# Allegro board SDHCalFEB20180110.brd (continued)
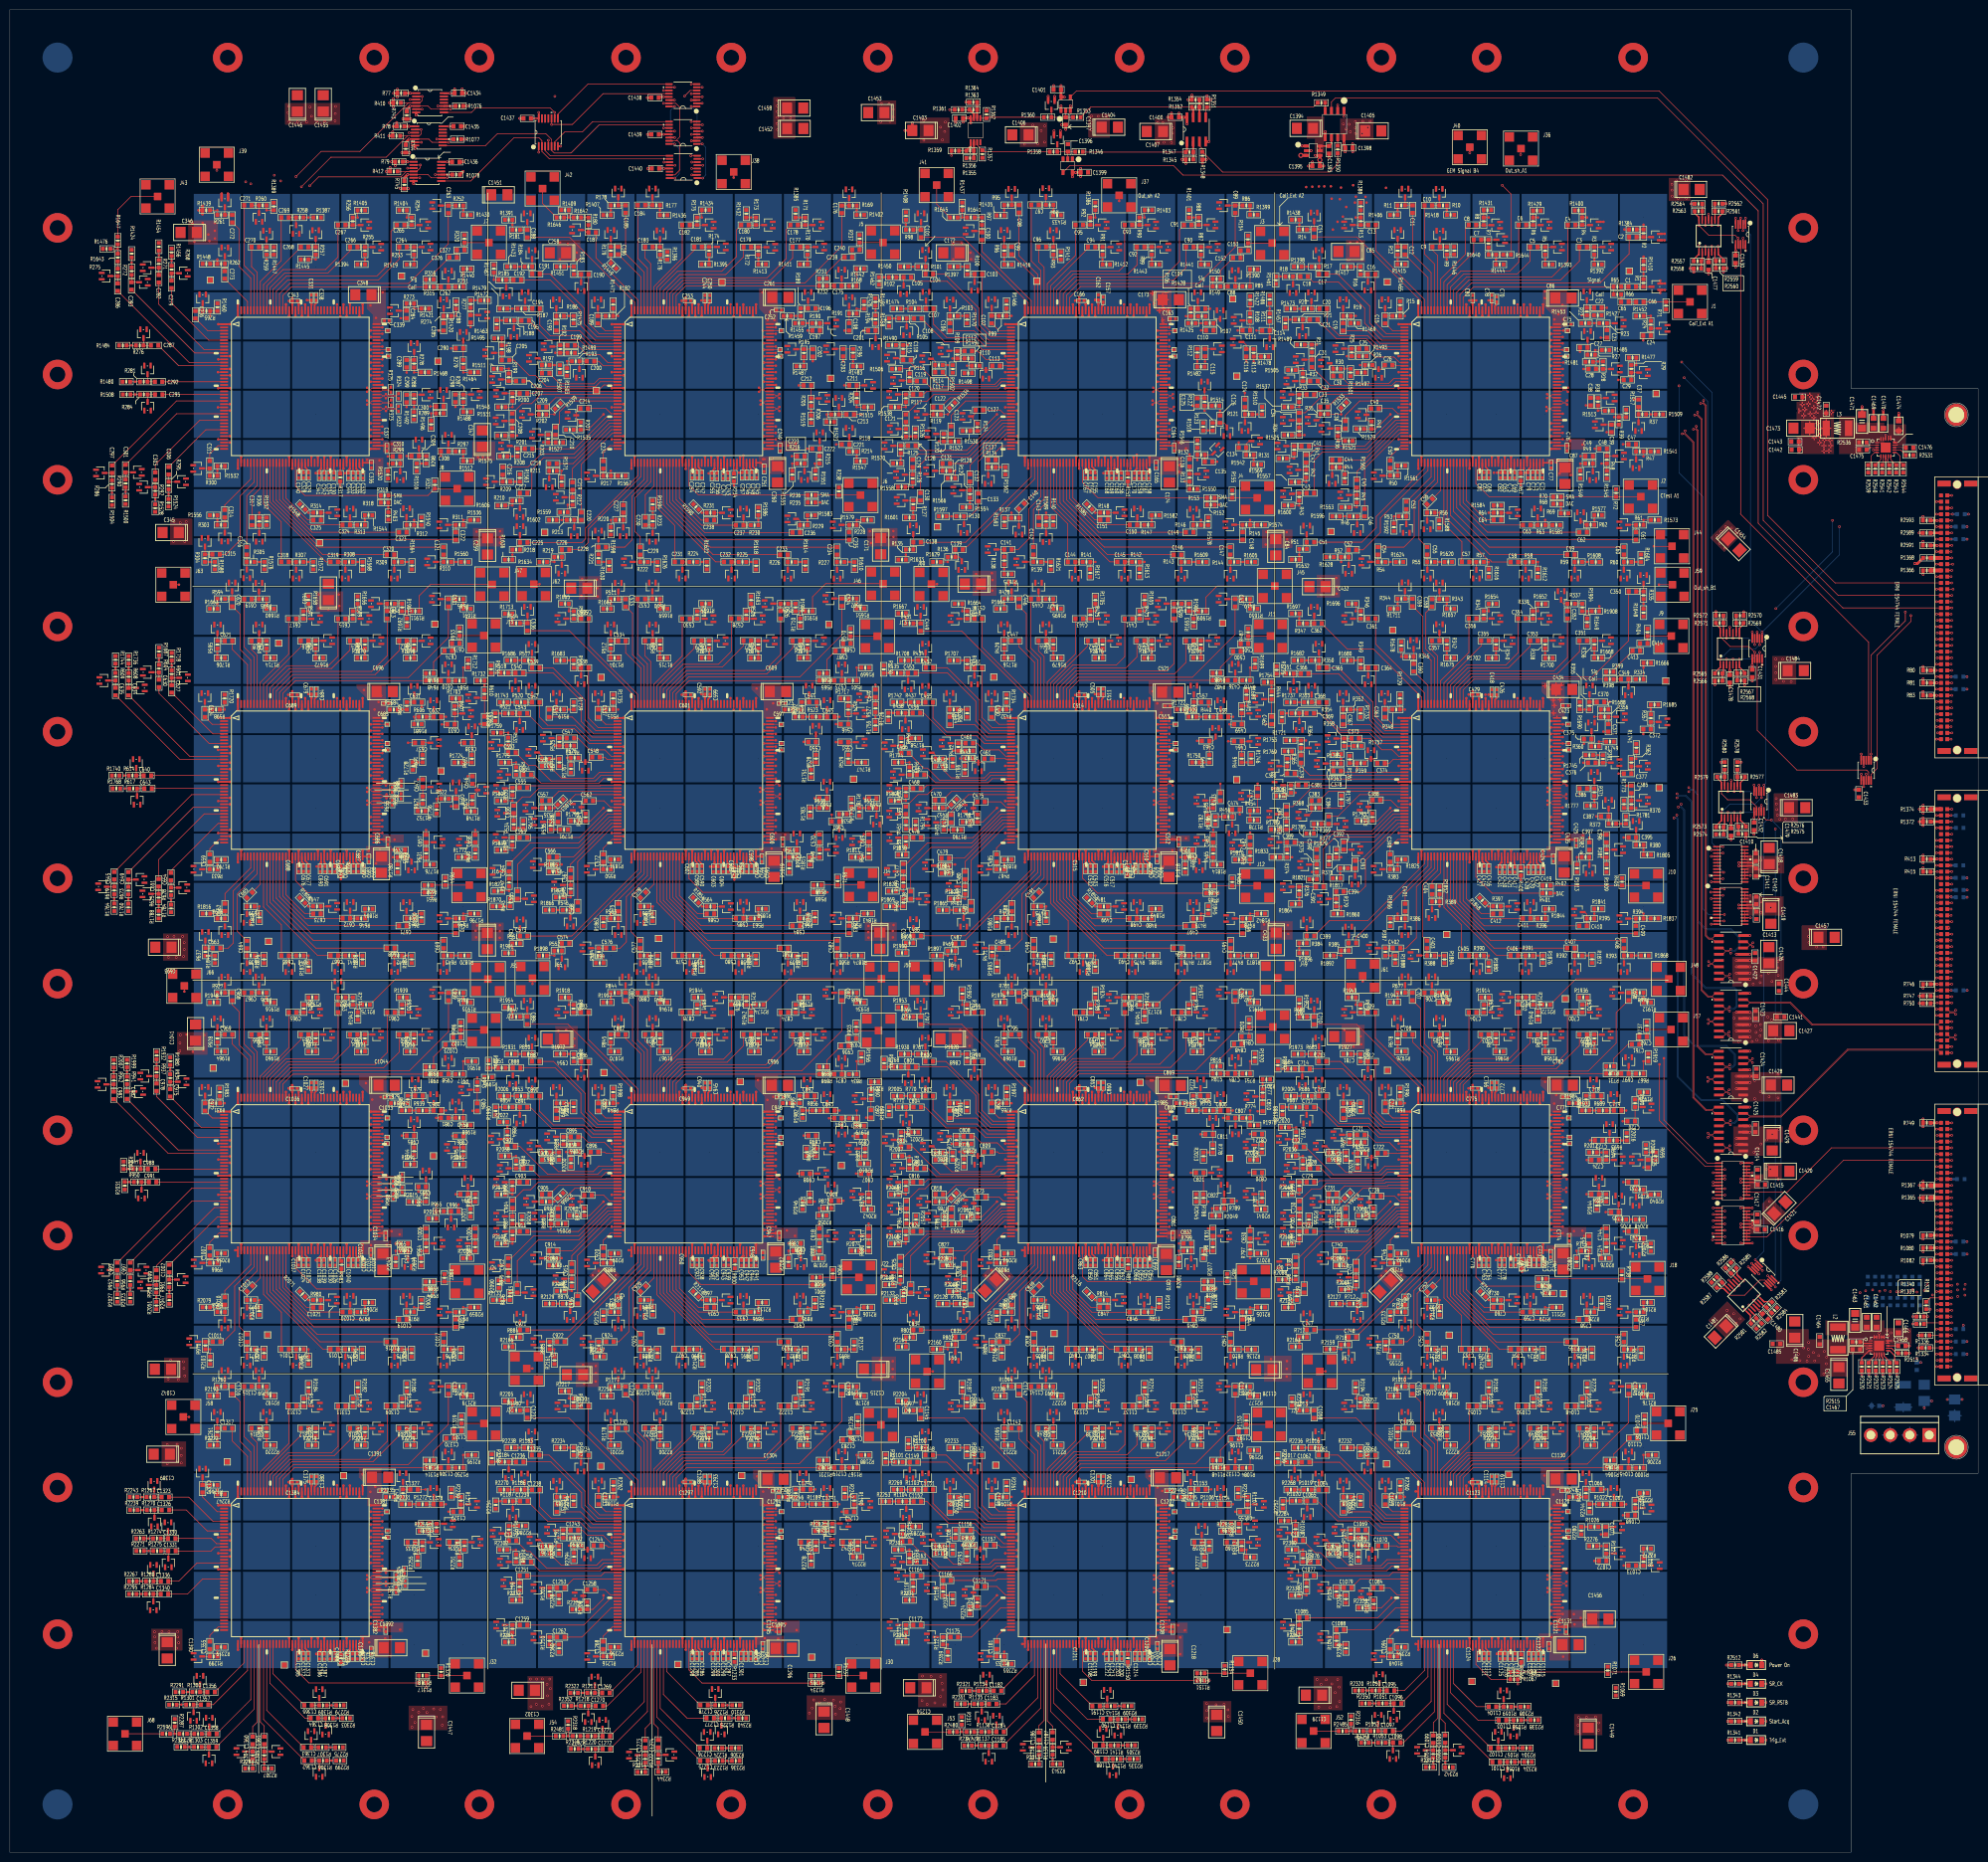
[diagram p0: board, top side]
## Routing (per net, layer and track width the routed paths; a pad name or vN(x,y) marks a point on that pad's centre or on a via; arc(x,y) is an arc through that point) (continued)
GEM_OUT_I35: length 4.5
  TOP w0.127: R2064.2 270.75,132.2 v1(270.73,132.2) 269.77,132.2 R701.1
  GND1 w0.127: v2(271.46,132.2) v1(270.73,132.2)
  GND3 w0.127: v3(272.2,132.2) v2(271.46,132.2)
  BOTTOM w0.127: v3(272.2,132.2) 272.18,132.2 R2064.2
GEM_OUT_I36: length 36.8
  TOP w0.127: v1(270.13,126.75) R702.1 270.14,127.71 R2052.2
  GND1 w0.127: v1(270.13,126.75) v2(270.87,126.75)
  SIG3 w0.127: v2(270.87,126.75) 280.42,126.75 283.46,129.79 299.06,129.79 v2(301.46,132.2)
  GND3 w0.127: v3(302.2,132.2) v2(301.46,132.2)
GEM_OUT_I37: length 4
  TOP w0.127: R2040.2 333.69,133.67 v1(332.2,133.67) 332.2,134.67 R703.1
  GND1 w0.127: v2(332.2,132.94) v1(332.2,133.67)
  GND3 w0.127: v3(332.2,132.2) v2(332.2,132.94)
GEM_OUT_I38: length 3.4
  TOP w0.127: R704.1 324.63,132.2 v1(323.67,132.2) 322.71,132.2 R2044.2
  GND1 w0.127: v2(322.94,132.2) v1(323.67,132.2)
  GND3 w0.127: v3(322.2,132.2) v2(322.94,132.2)
GEM_OUT_I39: length 22.3
  TOP w0.127: R705.1 v1(329.62,128.6) 330.59,128.6 R2048.2
  GND1 w0.127: v2(328.88,128.6) v1(329.62,128.6)
  SIG3 w0.127: v2(311.46,132.2) 312.38,132.2 315.98,128.6 v2(328.88,128.6)
  GND3 w0.127: v3(312.2,132.2) v2(311.46,132.2)
GEM_OUT_I40: length 7.6
  TOP w0.127: v1(280.73,132.2) 277.87,129.35 R706.1 275.76,129.35 R2060.2
  GND1 w0.127: v2(281.46,132.2) v1(280.73,132.2)
  GND3 w0.127: v3(282.2,132.2) v2(281.46,132.2)
GEM_OUT_I41: length 3.9
  TOP w0.127: R2100.2 260.72,123.67 v1(262.2,123.67) 262.2,123.68 R707.1
  GND1 w0.127: v2(262.2,122.94) v1(262.2,123.67)
  GND3 w0.127: v3(262.2,122.2) v2(262.2,122.94)
GEM_OUT_I42: length 35.5
  TOP w0.127: v1(260.5,116.37) R708.1
  GND1 w0.127: v1(260.5,116.37) v2(261.24,116.37)
  SIG3 w0.127: v2(261.24,116.37) 287.1,116.37 v2(292.2,121.46)
  GND3 w0.127: v3(292.2,122.2) v2(292.2,121.46)
GEM_OUT_I43: length 4
  TOP w0.127: R2131.2 260.73,110.71 v1(260.73,112.2) R709.1
  GND1 w0.127: v2(261.46,112.2) v1(260.73,112.2)
  GND3 w0.127: v3(262.2,112.2) v2(261.46,112.2)
GEM_OUT_I44: length 3.9
  TOP w0.127: v1(272.2,120.73) 271.23,120.73 R710.1 271.22,119.25 R2096.2
  GND1 w0.127: v2(272.2,121.46) v1(272.2,120.73)
  GND3 w0.127: v3(272.2,122.2) v2(272.2,121.46)
GEM_OUT_I45: length 35.1
  TOP w0.127: R711.1 v1(273.75,114.33) 272.28,114.33 R2084.2
  GND1 w0.127: v2(273.75,115.06) v1(273.75,114.33)
  SIG3 w0.127: v2(273.75,115.06) 295.91,115.06 v2(302.2,121.35)
  GND3 w0.127: v3(302.2,122.2) v2(302.2,121.35)
GEM_OUT_I46: length 3.5
  TOP w0.127: R712.1 v1(271.46,111.46) 270.47,111.46 R2127.2
  GND1 w0.127: v2(272.2,111.46) v1(271.46,111.46)
  GND3 w0.127: v3(272.2,112.2) v2(272.2,111.46)
GEM_OUT_I47: length 4
  TOP w0.127: R713.1 332.21,123.68 v1(332.2,123.67) 333.69,123.67 R2072.2
  GND1 w0.127: v2(332.2,122.94) v1(332.2,123.67)
  GND3 w0.127: v3(332.2,122.2) v2(332.2,122.94)
GEM_OUT_I48: length 4
  TOP w0.127: R2076.2 323.67,120.71 v1(323.67,122.2) R714.1
  GND1 w0.127: v2(322.94,122.2) v1(323.67,122.2)
  GND3 w0.127: v3(322.2,122.2) v2(322.94,122.2)
GEM_OUT_I49: length 8.9
  TOP w0.127: R2080.2 318.59,120.71 v1(318.59,122.2) 319.57,122.2 R715.1
  GND1 w0.127: v2(317.85,122.2) v1(318.59,122.2)
  SIG3 w0.127: v2(312.94,122.2) v2(317.85,122.2)
  GND3 w0.127: v3(312.2,122.2) v2(312.94,122.2)
GEM_OUT_I50: length 3.4
  TOP w0.127: R716.1 282.2,119.77 v1(282.2,120.73) 282.2,121.68 R2092.2
  GND1 w0.127: v2(282.2,121.46) v1(282.2,120.73)
  GND3 w0.127: v3(282.2,122.2) v2(282.2,121.46)
GEM_OUT_I51: length 3.4
  TOP w0.127: R2163.2 262.2,102.74 v1(262.2,103.67) 262.2,104.65 R717.1
  GND1 w0.127: v2(262.2,102.94) v1(262.2,103.67)
  GND3 w0.127: v3(262.2,102.2) v2(262.2,102.94)
GEM_OUT_I52: length 3.9
  TOP w0.127: R718.1 270.73,103.14 v1(270.73,102.2) 269.24,102.2 R2159.2
  GND1 w0.127: v2(271.46,102.2) v1(270.73,102.2)
  GND3 w0.127: v3(272.2,102.2) v2(271.46,102.2)
GEM_OUT_I53: length 3.9
  TOP w0.127: v1(282.2,110.73) 282.2,109.77 R719.1 280.72,109.76 R2123.2
  GND1 w0.127: v2(282.2,111.46) v1(282.2,110.73)
  GND3 w0.127: v3(282.2,112.2) v2(282.2,111.46)
GEM_OUT_I54: length 3.9
  TOP w0.127: R720.1 279.78,102.2 v1(280.73,102.2) 280.73,100.74 R2155.2
  GND1 w0.127: v2(281.46,102.2) v1(280.73,102.2)
  GND3 w0.127: v3(282.2,102.2) v2(281.46,102.2)
GEM_OUT_I55: length 3.4
  TOP w0.127: R721.1 v1(290.73,102.2) 291.67,102.2 R2151.2
  GND1 w0.127: v2(291.46,102.2) v1(290.73,102.2)
  GND3 w0.127: v3(292.2,102.2) v2(291.46,102.2)
GEM_OUT_I56: length 3.9
  TOP w0.127: R722.1 289.78,112.2 v1(290.73,112.2) 290.73,110.71 R2119.2
  GND1 w0.127: v2(291.46,112.2) v1(290.73,112.2)
  GND3 w0.127: v3(292.2,112.2) v2(291.46,112.2)
GEM_OUT_I57: length 3.9
  TOP w0.127: R723.1 299.77,102.2 v1(300.73,102.2) 300.73,100.73 R2147.2
  GND1 w0.127: v2(301.46,102.2) v1(300.73,102.2)
  GND3 w0.127: v3(302.2,102.2) v2(301.46,102.2)
GEM_OUT_I58: length 3.4
  TOP w0.127: R2143.2 311.7,102.2 v1(310.73,102.2) 309.78,102.2 R724.1
  GND1 w0.127: v2(311.46,102.2) v1(310.73,102.2)
  GND3 w0.127: v3(312.2,102.2) v2(311.46,102.2)
GEM_OUT_I59: length 3.4
  TOP w0.127: R2139.2 321.67,102.2 v1(320.73,102.2) 319.76,102.2 R725.1
  GND1 w0.127: v2(321.46,102.2) v1(320.73,102.2)
  GND3 w0.127: v3(322.2,102.2) v2(321.46,102.2)
GEM_OUT_I60: length 3.4
  TOP w0.127: R726.1 329.74,102.2 v1(330.73,102.2) 331.69,102.2 R2135.2
  GND1 w0.127: v2(331.46,102.2) v1(330.73,102.2)
  GND3 w0.127: v3(332.2,102.2) v2(331.46,102.2)
GEM_OUT_I61: length 3.4
  TOP w0.127: R727.1 332.2,109.75 v1(332.2,110.73) 332.2,111.7 R2104.2
  GND1 w0.127: v2(332.2,111.46) v1(332.2,110.73)
  GND3 w0.127: v3(332.2,112.2) v2(332.2,111.46)
GEM_OUT_I62: length 4
  TOP w0.127: R728.1 322.2,109.75 v1(322.2,110.73) 323.68,110.73 R2107.2
  GND1 w0.127: v2(322.2,111.46) v1(322.2,110.73)
  GND3 w0.127: v3(322.2,112.2) v2(322.2,111.46)
GEM_OUT_I63: length 3.9
  TOP w0.127: R2111.2 313.67,110.73 v1(312.2,110.73) 312.2,109.75 R729.1
  GND1 w0.127: v2(312.2,111.46) v1(312.2,110.73)
  GND3 w0.127: v3(312.2,112.2) v2(312.2,111.46)
GEM_OUT_I64: length 3.4
  TOP w0.127: R2115.2 300.73,112.23 v1(300.73,112.2) R730.1
  GND1 w0.127: v2(301.46,112.2) v1(300.73,112.2)
  GND3 w0.127: v3(302.2,112.2) v2(301.46,112.2)
GEM_OUT_J1: length 5
  TOP w0.127: R751.1 252.2,158.23 v1(252.2,160.73) 253.16,160.73 R1920.2
  GND1 w0.127: v2(252.2,161.46) v1(252.2,160.73)
  GND3 w0.127: v3(252.2,162.2) v2(252.2,161.46)
GEM_OUT_J2: length 3.4
  TOP w0.127: R1913.2 252.2,172.7 v1(252.2,173.67) 252.2,174.64 R752.1
  GND1 w0.127: v2(252.2,172.94) v1(252.2,173.67)
  GND3 w0.127: v3(252.2,172.2) v2(252.2,172.94)
GEM_OUT_J3: length 3.4
  TOP w0.127: R753.1 242.2,164.62 v1(242.2,163.67) 242.2,162.69 R1976.2
  GND1 w0.127: v2(242.2,162.94) v1(242.2,163.67)
  GND3 w0.127: v3(242.2,162.2) v2(242.2,162.94)
GEM_OUT_J4: length 4
  TOP w0.127: R1937.2 240.73,173.7 v1(240.73,172.2) 239.75,172.2 R754.1
  GND1 w0.127: v2(241.46,172.2) v1(240.73,172.2)
  GND3 w0.127: v3(242.2,172.2) v2(241.46,172.2)
GEM_OUT_J5: length 3.4
  TOP w0.127: R755.1 232.2,164.64 v1(232.2,163.67) 232.2,162.71 R1959.2
  GND1 w0.127: v2(232.2,162.94) v1(232.2,163.67)
  GND3 w0.127: v3(232.2,162.2) v2(232.2,162.94)
GEM_OUT_J6: length 1.5
  TOP w0.127: R756.1 R2169.1
GEM_OUT_J7: length 3.4
  TOP w0.127: R1962.2 222.2,162.73 v1(222.2,163.67) R757.1
  GND1 w0.127: v2(222.2,162.94) v1(222.2,163.67)
  GND3 w0.127: v3(222.2,162.2) v2(222.2,162.94)
GEM_OUT_J8: length 4
  TOP w0.127: R1924.2 v1(220.73,172.2) 219.76,172.2 R758.1
  GND1 w0.127: v2(221.46,172.2) v1(220.73,172.2)
  GND3 w0.127: v3(222.2,172.2) v2(221.46,172.2)
GEM_OUT_J9: length 3.4
  TOP w0.127: R759.1 212.2,164.64 v1(212.2,163.67) 212.2,162.72 R1966.2
  GND1 w0.127: v2(212.2,162.94) v1(212.2,163.67)
  GND3 w0.127: v3(212.2,162.2) v2(212.2,162.94)
GEM_OUT_J10: length 3.5
  TOP w0.127: R1915.2 212.2,172.68 v1(212.2,173.67) 212.2,174.64 R760.1
  GND1 w0.127: v2(212.2,172.94) v1(212.2,173.67)
  GND3 w0.127: v3(212.2,172.2) v2(212.2,172.94)
GEM_OUT_J11: length 3.4
  TOP w0.127: R761.1 202.2,174.64 v1(202.2,173.67) 202.2,172.71 R1975.2
  GND1 w0.127: v2(202.2,172.94) v1(202.2,173.67)
  GND3 w0.127: v3(202.2,172.2) v2(202.2,172.94)
GEM_OUT_J12: length 3.4
  TOP w0.127: R762.1 202.2,164.64 v1(202.2,163.67) R1969.2
  GND1 w0.127: v2(202.2,162.94) v1(202.2,163.67)
  GND3 w0.127: v3(202.2,162.2) v2(202.2,162.94)
GEM_OUT_J13: length 4
  TOP w0.127: R1950.2 193.67,173.71 v1(193.67,172.2) 194.64,172.2 R763.1
  GND1 w0.127: v2(192.94,172.2) v1(193.67,172.2)
  GND3 w0.127: v3(192.2,172.2) v2(192.94,172.2)
GEM_OUT_J14: length 3.4
  TOP w0.127: R764.1 182.2,169.75 v1(182.2,170.73) 182.2,171.7 R1953.2
  GND1 w0.127: v2(182.2,171.46) v1(182.2,170.73)
  GND3 w0.127: v3(182.2,172.2) v2(182.2,171.46)
GEM_OUT_J15: length 3.9
  TOP w0.127: R1997.2 202.71,153.67 R765.1 202.71,152.2 v1(203.67,152.2)
  GND1 w0.127: v2(202.94,152.2) v1(203.67,152.2)
  GND3 w0.127: v3(202.2,152.2) v2(202.94,152.2)
GEM_OUT_J16: length 3.4
  TOP w0.127: R766.1 194.64,162.2 v1(193.67,162.2) 192.71,162.2 R1928.2
  GND1 w0.127: v2(192.94,162.2) v1(193.67,162.2)
  GND3 w0.127: v3(192.2,162.2) v2(192.94,162.2)
GEM_OUT_J17: length 3.4
  TOP w0.127: R1930.2 182.71,162.2 v1(183.67,162.2) 184.64,162.2 R767.1
  GND1 w0.127: v2(182.94,162.2) v1(183.67,162.2)
  GND3 w0.127: v3(182.2,162.2) v2(182.94,162.2)
GEM_OUT_J18: length 38.4
  TOP w0.127: R1993.2 177.79,159.59 v1(178.74,159.59) R768.1
  GND1 w0.127: v2(179.48,159.59) v1(178.74,159.59)
  SIG3 w0.127: v2(211.46,152.2) 204.08,159.59 v2(179.48,159.59)
  GND3 w0.127: v3(212.2,152.2) v2(211.46,152.2)
GEM_OUT_J19: length 3.4
  TOP w0.127: R2001.2 194.63,152.2 v1(193.67,152.2) 192.7,152.2 R769.1
  GND1 w0.127: v2(192.94,152.2) v1(193.67,152.2)
  GND3 w0.127: v3(192.2,152.2) v2(192.94,152.2)
GEM_OUT_J20: length 3.4
  TOP w0.127: R2005.2 181.21,153.67 v1(182.2,153.67) 183.16,153.67 R770.1
  GND1 w0.127: v2(182.2,152.94) v1(182.2,153.67)
  GND3 w0.127: v3(182.2,152.2) v2(182.2,152.94)
GEM_OUT_J21: length 45.2
  TOP w0.127: R1989.2 178.8,151.41 v1(179.76,151.41) R771.1
  GND1 w0.127: v2(180.49,151.41) v1(179.76,151.41)
  SIG3 w0.127: v2(222.2,151.46) 221.63,151.46 221.58,151.41 v2(180.49,151.41)
  GND3 w0.127: v3(222.2,152.2) v2(222.2,151.46)
GEM_OUT_J22: length 9.4
  TOP w0.127: R772.1 240.61,152.2 v1(239.65,152.2) R1985.2
  GND1 w0.127: v2(238.91,152.2) v1(239.65,152.2)
  SIG3 w0.127: v2(232.94,152.2) v2(238.91,152.2)
  GND3 w0.127: v3(232.2,152.2) v2(232.94,152.2)
GEM_OUT_J23: length 3.4
  TOP w0.127: R773.1 243.16,150.73 v1(242.2,150.73) 241.23,150.73 R1981.2
  GND1 w0.127: v2(242.2,151.46) v1(242.2,150.73)
  GND3 w0.127: v3(242.2,152.2) v2(242.2,151.46)
GEM_OUT_J24: length 4.5
  TOP w0.127: R1978.2 252.21,147.75 R774.1 252.21,149.8 252.2,149.81 v1(252.2,150.73)
  GND1 w0.127: v2(252.2,151.46) v1(252.2,150.73)
  GND3 w0.127: v3(252.2,152.2) v2(252.2,151.46)
GEM_OUT_J25: length 23.8
  TOP w0.127: v1(191.54,143.95) R775.1 192.49,143.96 R2025.2
  GND1 w0.127: v1(191.54,143.95) v2(192.28,143.95)
  SIG3 w0.127: v2(211.46,142.2) 202.15,142.2 200.4,143.95 v2(192.28,143.95)
  GND3 w0.127: v3(212.2,142.2) v2(211.46,142.2)
GEM_OUT_J26: length 12.1
  TOP w0.127: v1(193.04,142.32) R776.1 194.01,140.84 R2029.2
  GND1 w0.127: v1(193.04,142.32) v2(193.56,141.8)
  SIG3 w0.127: v2(201.68,141.68) 194.22,141.68 194.11,141.8 v2(193.56,141.8)
  GND3 w0.127: v3(202.2,142.2) v2(201.68,141.68)
GEM_OUT_J27: length 35
  TOP w0.127: R777.1 v1(254.76,156.06) 254.76,157.03 R2017.2
  GND1 w0.127: v2(254.76,155.32) v1(254.76,156.06)
  SIG3 w0.127: v2(231.31,142.2) 231.86,142.2 236.3,146.63 250.34,146.63 254.76,151.05 v2(254.76,155.32)
  GND3 w0.127: v3(232.2,142.2) v2(231.31,142.2)
GEM_OUT_J28: length 3.4
  TOP w0.127: R778.1 244.63,142.2 v1(243.67,142.2) 242.72,142.2 R2013.2
  GND1 w0.127: v2(242.94,142.2) v1(243.67,142.2)
  GND3 w0.127: v3(242.2,142.2) v2(242.94,142.2)
GEM_OUT_J29: length 3.9
  TOP w0.127: R2009.2 253.67,140.7 v1(253.67,142.2) 254.63,142.2 R779.1
  GND1 w0.127: v2(252.94,142.2) v1(253.67,142.2)
  GND3 w0.127: v3(252.2,142.2) v2(252.94,142.2)
GEM_OUT_J30: length 3.4
  TOP w0.127: R780.1 189.77,142.2 v1(190.73,142.2) 191.71,142.2 R2033.2
  GND1 w0.127: v2(191.46,142.2) v1(190.73,142.2)
  GND3 w0.127: v3(192.2,142.2) v2(191.46,142.2)
GEM_OUT_J31: length 44.1
  TOP w0.127: R2021.2 183.2,146.3 v1(182.22,146.3) R781.1
  GND1 w0.127: v1(182.22,146.3) v2(182.22,145.56)
  SIG3 w0.127: v2(220.94,142.2) 220.37,142.77 202.87,142.77 200.08,145.56 v2(182.22,145.56)
  GND3 w0.127: v3(222.2,142.2) v2(220.94,142.2)
GEM_OUT_J32: length 3.9
  TOP w0.127: R2037.2 181.45,141.46 v1(182.94,141.46) 182.94,140.51 R782.1
  GND1 w0.127: v2(182.2,141.46) v1(182.94,141.46)
  GND3 w0.127: v3(182.2,142.2) v2(182.2,141.46)
GEM_OUT_J33: length 3.9
  TOP w0.127: R2069.2 180.72,133.67 v1(182.2,133.67) 182.2,134.62 R783.1
  GND1 w0.127: v2(182.2,132.94) v1(182.2,133.67)
  GND3 w0.127: v3(182.2,132.2) v2(182.2,132.94)
GEM_OUT_J34: length 32.7
  TOP w0.127: R784.1 v1(183.29,127.77) 184.25,127.77 R2057.2
  GND1 w0.127: v2(184.02,127.77) v1(183.29,127.77)
  SIG3 w0.127: v2(184.02,127.77) 199.37,127.77 203.8,132.2 v2(210.88,132.2)
  GND3 w0.127: v3(212.2,132.2) v2(210.88,132.2)
GEM_OUT_J35: length 3.4
  TOP w0.127: R2065.2 190.73,132.21 v1(190.73,132.2) 189.77,132.2 R785.1
  GND1 w0.127: v2(191.46,132.2) v1(190.73,132.2)
  GND3 w0.127: v3(192.2,132.2) v2(191.46,132.2)
GEM_OUT_J36: length 37
  TOP w0.127: v1(189.97,126.72) R786.1 191.49,127.67 R2053.2
  GND1 w0.127: v2(190.7,126.72) v1(189.97,126.72)
  SIG3 w0.127: v2(190.7,126.72) 199.97,126.72 204.09,130.84 219.46,130.84 v2(220.82,132.2)
  GND3 w0.127: v3(222.2,132.2) v2(220.82,132.2)
GEM_OUT_J37: length 4
  TOP w0.127: R2041.2 253.67,130.69 v1(253.67,132.2) 254.63,132.2 R787.1
  GND1 w0.127: v2(252.94,132.2) v1(253.67,132.2)
  GND3 w0.127: v3(252.2,132.2) v2(252.94,132.2)
GEM_OUT_J38: length 3.9
  TOP w0.127: R2045.2 242.72,132.2 R788.1 242.73,132.2 v1(243.67,132.2)
  GND1 w0.127: v2(242.94,132.2) v1(243.67,132.2)
  GND3 w0.127: v3(242.2,132.2) v2(242.94,132.2)
GEM_OUT_J39: length 17.2
  TOP w0.127: R2049.2 244.47,129.34 v1(244.47,130.84) R789.1
  GND1 w0.127: v2(244.47,131.57) v1(244.47,130.84)
  SIG3 w0.127: v2(244.47,131.57) 232.09,131.57 v2(231.46,132.2)
  GND3 w0.127: v3(232.2,132.2) v2(231.46,132.2)
GEM_OUT_J40: length 8.2
  TOP w0.127: R2061.2 196.82,129.09 R790.1 197.62,129.09 v1(200.73,132.2)
  GND1 w0.127: v2(201.46,132.2) v1(200.73,132.2)
  GND3 w0.127: v3(202.2,132.2) v2(201.46,132.2)
GEM_OUT_J41: length 3.9
  TOP w0.127: R791.1 182.2,124.64 v1(182.2,123.67) 180.71,123.67 R2101.2
  GND1 w0.127: v2(182.2,122.94) v1(182.2,123.67)
  GND3 w0.127: v3(182.2,122.2) v2(182.2,122.94)
GEM_OUT_J42: length 38.2
  TOP w0.127: R792.1 v1(181.09,115.34) 178.64,115.34
  GND1 w0.127: v1(181.09,115.34) v2(181.09,116.08)
  SIG3 w0.127: v2(212.2,121.46) 206.81,116.08 v2(181.09,116.08)
  GND3 w0.127: v3(212.2,122.2) v2(212.2,121.46)
GEM_OUT_J43: length 3.4
  TOP w0.127: R2132.2 179.74,112.2 v1(180.73,112.2) 181.67,112.2 R793.1
  GND1 w0.127: v2(181.46,112.2) v1(180.73,112.2)
  GND3 w0.127: v3(182.2,112.2) v2(181.46,112.2)
GEM_OUT_J44: length 3.9
  TOP w0.127: v1(192.2,120.73) 191.25,120.73 R794.1 191.24,119.24 R2097.2
  GND1 w0.127: v2(192.2,121.46) v1(192.2,120.73)
  GND3 w0.127: v3(192.2,122.2) v2(192.2,121.46)
GEM_OUT_J45: length 34.8
  TOP w0.127: R2085.2 192.6,113.92 v1(194.1,113.92) R795.1
  GND1 w0.127: v2(194.1,114.66) v1(194.1,113.92)
  SIG3 w0.127: v2(194.1,114.66) 215.39,114.66 v2(222.2,121.46)
  GND3 w0.127: v3(222.2,122.2) v2(222.2,121.46)
GEM_OUT_J46: length 3.4
  TOP w0.127: R796.1 v1(191.46,111.46) 190.49,111.46 R2128.2
  GND1 w0.127: v2(192.2,111.46) v1(191.46,111.46)
  GND3 w0.127: v3(192.2,112.2) v2(192.2,111.46)
GEM_OUT_J47: length 3.9
  TOP w0.127: R2073.2 253.71,121.69 R797.1 252.2,121.68 v1(252.2,120.73)
  GND1 w0.127: v2(252.2,121.46) v1(252.2,120.73)
  GND3 w0.127: v3(252.2,122.2) v2(252.2,121.46)
GEM_OUT_J48: length 3.4
  TOP w0.127: R2077.2 242.7,122.2 v1(243.67,122.2) R798.1
  GND1 w0.127: v2(242.94,122.2) v1(243.67,122.2)
  GND3 w0.127: v3(242.2,122.2) v2(242.94,122.2)
GEM_OUT_J49: length 8
  TOP w0.127: R2081.2 237.72,120.71 v1(237.72,122.2) 238.68,122.2 R799.1
  GND1 w0.127: v1(237.72,122.2) v2(236.98,122.2)
  SIG3 w0.127: v2(236.98,122.2) v2(232.94,122.2)
  GND3 w0.127: v3(232.2,122.2) v2(232.94,122.2)
GEM_OUT_J50: length 3.4
  TOP w0.127: R800.1 202.2,119.76 v1(202.2,120.73) R2093.2
  GND1 w0.127: v2(202.2,121.46) v1(202.2,120.73)
  GND3 w0.127: v3(202.2,122.2) v2(202.2,121.46)
GEM_OUT_J51: length 3.4
  TOP w0.127: R2164.2 182.2,102.73 v1(182.2,103.67) 182.2,104.63 R801.1
  GND1 w0.127: v2(182.2,102.94) v1(182.2,103.67)
  GND3 w0.127: v3(182.2,102.2) v2(182.2,102.94)
GEM_OUT_J52: length 4
  TOP w0.127: R2160.2 189.25,102.2 v1(190.73,102.2) 190.73,102.2 R802.1
  GND1 w0.127: v2(191.46,102.2) v1(190.73,102.2)
  GND3 w0.127: v3(192.2,102.2) v2(191.46,102.2)
GEM_OUT_J53: length 3.9
  TOP w0.127: v1(202.2,110.73) 202.2,109.78 R803.1 R2124.2
  GND1 w0.127: v2(202.2,111.46) v1(202.2,110.73)
  GND3 w0.127: v3(202.2,112.2) v2(202.2,111.46)
GEM_OUT_J54: length 3.4
  TOP w0.127: R804.1 199.77,102.2 v1(200.73,102.2) 201.68,102.2 R2156.2
  GND1 w0.127: v2(201.46,102.2) v1(200.73,102.2)
  GND3 w0.127: v3(202.2,102.2) v2(201.46,102.2)
GEM_OUT_J55: length 3.4
  TOP w0.127: R805.1 v1(210.73,102.2) 211.67,102.2 R2152.2
  GND1 w0.127: v2(211.46,102.2) v1(210.73,102.2)
  GND3 w0.127: v3(212.2,102.2) v2(211.46,102.2)
GEM_OUT_J56: length 3.9
  TOP w0.127: R2120.2 210.73,110.74 v1(210.73,112.2) 209.76,112.2 R806.1
  GND1 w0.127: v2(211.46,112.2) v1(210.73,112.2)
  GND3 w0.127: v3(212.2,112.2) v2(211.46,112.2)
GEM_OUT_J57: length 3.4
  TOP w0.127: R807.1 219.76,102.2 v1(220.73,102.2) 221.71,102.2 R2148.2
  GND1 w0.127: v2(221.46,102.2) v1(220.73,102.2)
  GND3 w0.127: v3(222.2,102.2) v2(221.46,102.2)
GEM_OUT_J58: length 3.4
  TOP w0.127: R2144.2 231.69,102.2 v1(230.73,102.2) R808.1
  GND1 w0.127: v2(231.46,102.2) v1(230.73,102.2)
  GND3 w0.127: v3(232.2,102.2) v2(231.46,102.2)
GEM_OUT_J59: length 3.4
  TOP w0.127: R809.1 239.75,102.2 v1(240.73,102.2) 241.7,102.2 R2140.2
  GND1 w0.127: v2(241.46,102.2) v1(240.73,102.2)
  GND3 w0.127: v3(242.2,102.2) v2(241.46,102.2)
GEM_OUT_J60: length 3.4
  TOP w0.127: R2136.2 251.68,102.2 v1(250.73,102.2) R810.1
  GND1 w0.127: v2(251.46,102.2) v1(250.73,102.2)
  GND3 w0.127: v3(252.2,102.2) v2(251.46,102.2)
GEM_OUT_J61: length 4
  TOP w0.127: R2105.2 253.7,110.73 v1(252.2,110.73) 252.2,109.75 R811.1
  GND1 w0.127: v2(252.2,111.46) v1(252.2,110.73)
  GND3 w0.127: v3(252.2,112.2) v2(252.2,111.46)
GEM_OUT_J62: length 4
  TOP w0.127: R812.1 242.2,109.76 v1(242.2,110.73) 243.68,110.73 R2108.2
  GND1 w0.127: v2(242.2,111.46) v1(242.2,110.73)
  GND3 w0.127: v3(242.2,112.2) v2(242.2,111.46)
GEM_OUT_J63: length 4
  TOP w0.127: R813.1 232.2,109.75 v1(232.2,110.73) 233.7,110.73 R2112.2
  GND1 w0.127: v2(232.2,111.46) v1(232.2,110.73)
  GND3 w0.127: v3(232.2,112.2) v2(232.2,111.46)
GEM_OUT_J64: length 3.4
  TOP w0.127: R814.1 221.67,112.2 v1(220.73,112.2) 220.71,112.2 R2116.2
  GND1 w0.127: v2(221.46,112.2) v1(220.73,112.2)
  GND3 w0.127: v3(222.2,112.2) v2(221.46,112.2)
GEM_OUT_K1: length 5.1
  TOP w0.127: R834.1 172.2,158.09 v1(172.2,160.73) 173.15,160.73 R1956.2
  GND1 w0.127: v2(172.2,161.46) v1(172.2,160.73)
  GND3 w0.127: v3(172.2,162.2) v2(172.2,161.46)
GEM_OUT_K2: length 3.4
  TOP w0.127: R1934.2 172.2,172.73 v1(172.2,173.67) 172.2,174.65 R835.1
  GND1 w0.127: v2(172.2,172.94) v1(172.2,173.67)
  GND3 w0.127: v3(172.2,172.2) v2(172.2,172.94)
GEM_OUT_K3: length 3.4
  TOP w0.127: R836.1 162.2,164.62 v1(162.2,163.67) 162.2,162.72 R1922.2
  GND1 w0.127: v2(162.2,162.94) v1(162.2,163.67)
  GND3 w0.127: v3(162.2,162.2) v2(162.2,162.94)
GEM_OUT_K4: length 3.9
  TOP w0.127: R837.1 159.77,172.2 v1(160.73,172.2) 160.73,173.71 R1938.2
  GND1 w0.127: v2(161.46,172.2) v1(160.73,172.2)
  GND3 w0.127: v3(162.2,172.2) v2(161.46,172.2)
GEM_OUT_K5: length 3.4
  TOP w0.127: R1923.2 152.2,162.72 v1(152.2,163.67) 152.2,164.65 R838.1
  GND1 w0.127: v2(152.2,162.94) v1(152.2,163.67)
  GND3 w0.127: v3(152.2,162.2) v2(152.2,162.94)
GEM_OUT_K6: length 1.5
  TOP w0.127: R2170.1 R839.1
GEM_OUT_K7: length 3.4
  TOP w0.127: R1963.2 142.2,162.72 v1(142.2,163.67) 142.2,164.62 R840.1
  GND1 w0.127: v2(142.2,162.94) v1(142.2,163.67)
  GND3 w0.127: v3(142.2,162.2) v2(142.2,162.94)
GEM_OUT_K8: length 4
  TOP w0.127: R841.1 139.75,172.2 v1(140.73,172.2) 140.73,173.7 R1944.2
  GND1 w0.127: v2(141.46,172.2) v1(140.73,172.2)
  GND3 w0.127: v3(142.2,172.2) v2(141.46,172.2)
GEM_OUT_K9: length 3.4
  TOP w0.127: R1967.2 132.2,162.71 v1(132.2,163.67) 132.2,164.63 R842.1
  GND1 w0.127: v2(132.2,162.94) v1(132.2,163.67)
  GND3 w0.127: v3(132.2,162.2) v2(132.2,162.94)
GEM_OUT_K10: length 3.4
  TOP w0.127: R1946.2 132.2,172.73 v1(132.2,173.67) 132.2,174.65 R843.1
  GND1 w0.127: v2(132.2,172.94) v1(132.2,173.67)
  GND3 w0.127: v3(132.2,172.2) v2(132.2,172.94)
GEM_OUT_K11: length 3.4
  TOP w0.127: R1917.2 122.2,172.7 v1(122.2,173.67) 122.2,174.64 R844.1
  GND1 w0.127: v2(122.2,172.94) v1(122.2,173.67)
  GND3 w0.127: v3(122.2,172.2) v2(122.2,172.94)
GEM_OUT_K12: length 3.4
  TOP w0.127: R1970.2 122.2,162.72 v1(122.2,163.67) R845.1
  GND1 w0.127: v2(122.2,162.94) v1(122.2,163.67)
  GND3 w0.127: v3(122.2,162.2) v2(122.2,162.94)
GEM_OUT_K13: length 3.9
  TOP w0.127: R846.1 114.63,172.2 v1(113.67,172.2) 113.67,173.7 R1918.2
  GND1 w0.127: v2(112.94,172.2) v1(113.67,172.2)
  GND3 w0.127: v3(112.2,172.2) v2(112.94,172.2)
GEM_OUT_K14: length 3.4
  TOP w0.127: R1954.2 102.2,171.69 v1(102.2,170.73) 102.2,169.78 R847.1
  GND1 w0.127: v2(102.2,171.46) v1(102.2,170.73)
  GND3 w0.127: v3(102.2,172.2) v2(102.2,171.46)
GEM_OUT_K15: length 3.9
  TOP w0.127: v1(123.67,152.2) 123.67,152.2 R848.1 122.69,152.21 R1998.2
  GND1 w0.127: v2(122.94,152.2) v1(123.67,152.2)
  GND3 w0.127: v3(122.2,152.2) v2(122.94,152.2)
GEM_OUT_K16: length 3.4
  TOP w0.127: R1972.2 112.72,162.2 v1(113.67,162.2) 114.65,162.2 R849.1
  GND1 w0.127: v2(112.94,162.2) v1(113.67,162.2)
  GND3 w0.127: v3(112.2,162.2) v2(112.94,162.2)
GEM_OUT_K17: length 3.4
  TOP w0.127: R850.1 104.65,162.2 v1(103.67,162.2) 102.72,162.2 R1931.2
  GND1 w0.127: v2(102.94,162.2) v1(103.67,162.2)
  GND3 w0.127: v3(102.2,162.2) v2(102.94,162.2)
GEM_OUT_K18: length 38.8
  TOP w0.127: R1994.2 97.35,159.38 v1(98.3,159.38) R851.1
  GND1 w0.127: v2(99.03,159.38) v1(98.3,159.38)
  SIG3 w0.127: v2(99.03,159.38) 124.28,159.38 v2(131.46,152.2)
  GND3 w0.127: v3(132.2,152.2) v2(131.46,152.2)
GEM_OUT_K19: length 3.4
  TOP w0.127: R852.1 113.67,152.2 v1(113.67,152.2) 113.68,152.21 R2002.2
  GND1 w0.127: v2(112.94,152.2) v1(113.67,152.2)
  GND3 w0.127: v3(112.2,152.2) v2(112.94,152.2)
GEM_OUT_K20: length 3.4
  TOP w0.127: R2006.2 101.23,153.67 v1(102.2,153.67) 103.18,153.67 R853.1
  GND1 w0.127: v2(102.2,152.94) v1(102.2,153.67)
  GND3 w0.127: v3(102.2,152.2) v2(102.2,152.94)
GEM_OUT_K21: length 45.2
  TOP w0.127: R1990.2 99.74,151.39 v1(99.75,151.38) R854.1
  GND1 w0.127: v2(100.48,151.38) v1(99.75,151.38)
  SIG3 w0.127: v2(142.25,151.47) 141.65,151.47 141.57,151.38 v2(100.48,151.38)
  GND3 w0.127: v2(142.25,151.47) 142.24,151.48 142.24,151.64 142.2,151.68 v3(142.2,152.2)
GEM_OUT_K22: length 9.4
  TOP w0.127: R1986.2 158.71,152.2 v1(159.66,152.2) 160.62,152.2 R855.1
  GND1 w0.127: v2(158.93,152.2) v1(159.66,152.2)
  SIG3 w0.127: v2(152.94,152.2) v2(158.93,152.2)
  GND3 w0.127: v3(152.2,152.2) v2(152.94,152.2)
GEM_OUT_K23: length 3.4
  TOP w0.127: R856.1 163.18,150.73 v1(162.2,150.73) 161.24,150.73 R1982.2
  GND1 w0.127: v2(162.2,151.46) v1(162.2,150.73)
  GND3 w0.127: v3(162.2,152.2) v2(162.2,151.46)
GEM_OUT_K24: length 4.6
  TOP w0.127: v1(172.2,150.73) 172.2,149.15 R857.1 172.2,147.65 R1979.2
  GND1 w0.127: v2(172.2,151.46) v1(172.2,150.73)
  GND3 w0.127: v3(172.2,152.2) v2(172.2,151.46)
GEM_OUT_K25: length 23.8
  TOP w0.127: R2026.2 112.59,143.86 R858.1 v1(111.61,143.85)
  GND1 w0.127: v2(112.34,143.85) v1(111.61,143.85)
  SIG3 w0.127: v2(112.34,143.85) 120.32,143.85 121.97,142.2 v2(131.46,142.2)
  GND3 w0.127: v3(132.2,142.2) v2(131.46,142.2)
GEM_OUT_K26: length 12
  TOP w0.127: R2030.2 114.08,140.81 R859.1 v1(113.13,142.29)
  GND1 w0.127: v1(113.13,142.29) v2(113.65,141.77)
  SIG3 w0.127: v2(113.65,141.77) 121.04,141.77 121.13,141.68 v2(121.68,141.68)
  GND3 w0.127: v3(122.2,142.2) v2(121.68,141.68)
GEM_OUT_K27: length 35.9
  TOP w0.127: R860.1 v1(175.11,155.6) 175.11,156.55 R2018.2
  GND1 w0.127: v2(175.11,154.86) v1(175.11,155.6)
  SIG3 w0.127: v2(175.11,154.86) 175.11,148.62 173.35,146.86 169.85,146.86 166.98,143.99 154.33,143.99 152.54,142.2 v2(151.46,142.2)
  GND3 w0.127: v3(152.2,142.2) v2(151.46,142.2)
GEM_OUT_K28: length 3.4
  TOP w0.127: R2014.2 161.98,141.46 v1(162.94,141.46) 163.9,141.46 R861.1
  GND1 w0.127: v2(162.2,141.46) v1(162.94,141.46)
  GND3 w0.127: v3(162.2,142.2) v2(162.2,141.46)
GEM_OUT_K29: length 3.9
  TOP w0.127: R2010.2 172.94,139.95 v1(172.94,141.46) 173.89,141.46 R862.1
  GND1 w0.127: v2(172.2,141.46) v1(172.94,141.46)